# KiCad board SparkFun_IoT_RedBoard-RP2350_panelized.kicad_pcb (continued)
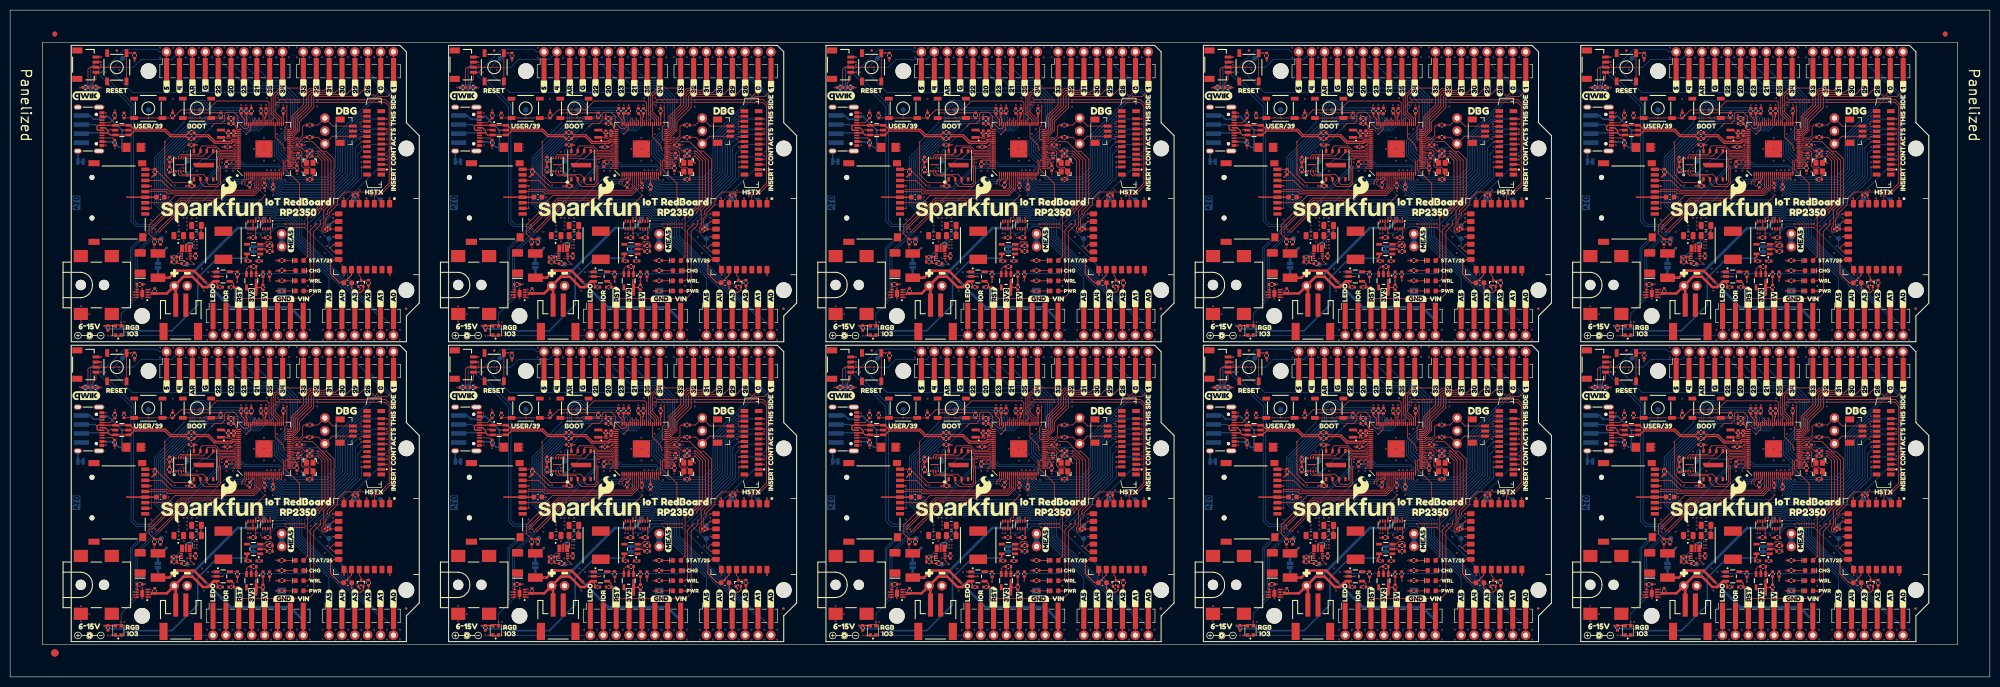
[diagram p0: board, top side]
## Routing (per net, layer and track width the routed paths; a pad name or vN(x,y) marks a point on that pad's centre or on a via; arc(x,y) is an arc through that point) (continued)
 v1(259.85,25.36) v1(260.25,124.03) v1(260.25,122.08) v1(260.25,64.91) v1(260.25,62.96) v1(260.9,80.48) v1(260.9,21.36) v1(261.25,76.13) v1(261.25,17.01) v1(261.85,68.43) v1(261.85,66.48) v1(261.85,9.31) v1(261.85,7.36) v1(262.05,93.48) v1(262.05,79.78) v1(262.05,34.36) v1(262.05,20.66) v1(262.85,124.08) v1(262.85,122.13) v1(262.85,64.96) v1(262.85,63.01) v1(264.35,68.43) v1(264.35,66.48) v1(264.35,9.31) v1(264.35,7.36) v1(264.75,101.43) v1(264.75,42.31) v1(265.3,124.08) v1(265.3,122.13) v1(265.3,64.96) v1(265.3,63.01) v1(265.7,99.73) v1(265.7,40.61) v1(266.75,101.48) v1(266.75,42.36) v1(266.9,68.43) v1(266.9,66.48) v1(266.9,9.31) v1(266.9,7.36) v1(266.95,99.78) v1(266.95,40.66) v1(267.85,124.08) v1(267.85,122.13) v1(267.85,64.96) v1(267.85,63.01) v1(268.6,112.68) v1(268.6,53.56) v1(269.3,97.08) v1(269.4,68.43) v1(269.4,66.48) v1(269.3,37.96) v1(269.4,9.31) v1(269.4,7.36) v1(269.6,112.68) v1(269.6,53.56) v1(269.7,96.73) v1(269.7,37.61) v1(270.4,124.08) v1(270.4,122.13) v1(270.4,64.96) v1(270.4,63.01) v1(271.1,104.08) v1(271.1,44.96) v1(271.7,105.53) v1(271.7,102.63) v1(271.7,46.41) v1(271.7,43.51) v1(271.95,68.43) v1(271.95,66.48) v1(271.95,9.31) v1(271.95,7.36) v1(272.45,87.08) v1(272.45,27.96) v1(272.5,112.68) v1(272.5,53.56) v1(272.95,124.08) v1(272.95,122.13) v1(272.95,64.96) v1(272.95,63.01) v1(273.1,106.28) v1(273.1,104.08) v1(273.1,101.78) v1(273.1,47.16) v1(273.1,44.96) v1(273.1,42.66) v1(273.3,95.78) v1(273.3,36.66) v1(273.5,112.68) v1(273.5,53.56) v1(273.65,114.08) v1(273.7,99.88) v1(273.65,54.96) v1(273.7,40.76) v1(274.55,105.53) v1(274.55,103.38) v1(274.5,99.88) v1(274.5,68.43) v1(274.5,66.48) v1(274.55,46.41) v1(274.55,44.26) v1(274.5,40.76) v1(274.5,9.31) v1(274.5,7.36) v1(274.85,94.93) v1(274.85,35.81) v1(275.1,101.78) v1(275.1,42.66) v1(275.3,99.88) v1(275.3,40.76) v1(275.5,124.08) v1(275.5,122.13) v1(275.5,64.96) v1(275.5,63.01) v1(275.7,112.73) v1(275.7,106.98) v1(275.7,53.61) v1(275.7,47.86) v1(275.8,114.18) v1(275.8,55.06) v1(276.1,99.88) v1(276.1,40.76) v1(276.5,107.98) v1(276.5,48.86) v1(276.9,112.68) v1(276.9,53.56) v1(277.05,68.43) v1(277.05,66.48) v1(277.05,9.31) v1(277.05,7.36) v1(277.15,103.83) v1(277.15,44.71) v1(277.3,97.98) v1(277.3,38.86) v1(278,124.08) v1(278,122.13) v1(278,64.96) v1(278,63.01) v1(279.55,124.08) v1(279.55,122.13) v1(279.6,99.18) v1(279.55,68.43) v1(279.55,66.48) v1(279.55,64.96) v1(279.55,63.01) v1(279.6,40.06) v1(279.55,9.31) v1(279.55,7.36) v1(279.85,101.53) v1(279.85,42.41) v1(280,115.08) v1(280,55.96) v1(280.5,99.58) v1(280.5,40.46) v1(281.2,104.88) v1(281.2,45.76) v1(281.7,77.08) v1(281.7,17.96) v1(282.05,124.08) v1(282.05,122.13) v1(282.1,68.43) v1(282.1,66.48) v1(282.05,64.96) v1(282.05,63.01) v1(282.1,9.31) v1(282.1,7.36) v1(282.4,90.58) v1(282.3,88.93) v1(282.4,31.46) v1(282.3,29.81) v1(283.2,102.28) v1(283.2,43.16) v1(283.6,112.43) v1(283.6,53.31) v1(283.7,101.28) v1(283.7,42.16) v1(284.2,86.73) v1(284.2,27.61) v1(284.6,124.08) v1(284.6,122.13) v1(284.6,64.96) v1(284.6,63.01) v1(284.65,68.43) v1(284.65,66.48) v1(284.65,9.31) v1(284.65,7.36) v1(285.05,83.53) v1(285.05,24.41) v1(285.5,84.93) v1(285.5,25.81) v1(286.7,90.48) v1(286.7,31.36) v1(287.15,124.08) v1(287.15,122.13) v1(287.15,64.96) v1(287.15,63.01) v1(287.2,68.43) v1(287.2,66.48) v1(287.2,9.31) v1(287.2,7.36) v1(289.7,124.08) v1(289.7,122.13) v1(289.7,68.43) v1(289.7,66.48) v1(289.7,64.96) v1(289.7,63.01) v1(289.7,9.31) v1(289.7,7.36) v1(292.1,108.98) v1(292,105.98) v1(292,95.98) v1(292.1,49.86) v1(292,46.86) v1(292,36.86) v1(292.25,124.08) v1(292.25,122.13) v1(292.25,68.43) v1(292.25,66.48) v1(292.25,64.96) v1(292.25,63.01) v1(292.25,9.31) v1(292.25,7.36) v1(292.3,110.48) v1(292.3,107.48) v1(292.3,104.48) v1(292.3,101.48) v1(292.3,51.36) v1(292.3,48.36) v1(292.3,45.36) v1(292.3,42.36) v1(294.25,94.83) v1(294.25,35.71) v1(294.55,114.78) v1(294.55,55.66) v1(294.8,124.08) v1(294.8,122.13) v1(294.8,68.43) v1(294.8,66.48) v1(294.8,64.96) v1(294.8,63.01) v1(294.8,9.31) v1(294.8,7.36) v1(296.1,114.93) v1(296.1,55.81) v1(297.35,124.08) v1(297.35,122.13) v1(297.3,108.98) v1(297.3,107.48) v1(297.3,105.98) v1(297.3,102.68) v1(297.35,68.43) v1(297.35,66.48) v1(297.35,64.96) v1(297.35,63.01) v1(297.3,49.86) v1(297.3,48.36) v1(297.3,46.86) v1(297.3,43.56) v1(297.35,9.31) v1(297.35,7.36) v1(299.85,68.43) v1(299.85,66.48) v1(299.85,9.31) v1(299.85,7.36) v1(311.36,73.08) v1(311.36,70.08) v1(311.36,13.96) v1(311.36,10.96) v1(313.06,71.48) v1(313.06,12.36) v1(315.36,120.68) v1(315.36,61.56) v1(316.21,119.18) v1(316.21,60.06) v1(316.36,111.18) v1(316.36,104.78) v1(316.36,52.06) v1(316.36,45.66) v1(316.71,67.28) v1(316.71,8.16) v1(318.06,111.78) v1(318.06,104.18) v1(318.06,52.66) v1(318.06,45.06) v1(318.96,119.68) v1(318.96,60.56) v1(319.96,69.93) v1(319.96,10.81) v1(320.31,67.93) v1(320.31,8.81) v1(321.41,74.38) v1(321.41,15.26) v1(325.26,90.13) v1(325.26,31.01) v1(325.41,87.63) v1(325.41,28.51) v1(325.86,84.63) v1(325.86,25.51) v1(326.01,88.23) v1(326.01,29.11) v1(327.01,124.03) v1(327.01,122.08) v1(327.01,64.91) v1(327.01,62.96) v1(328.16,87.73) v1(328.16,28.61) v1(328.71,94.58) v1(328.71,35.46) v1(329.46,113.98) v1(329.46,54.86) v1(329.56,124.03) v1(329.56,64.91) v1(329.86,96.88) v1(329.86,37.76) v1(330.66,89.73) v1(330.66,88.98) v1(330.66,88.18) v1(330.66,86.98) v1(330.66,30.61) v1(330.66,29.86) v1(330.66,29.06) v1(330.66,27.86) v1(331.61,103.53) v1(331.61,100.28) v1(331.61,90.48) v1(331.61,85.83) v1(331.61,44.41) v1(331.61,41.16) v1(331.61,31.36) v1(331.61,26.71) v1(332.06,124.03) v1(332.06,122.08) v1(332.06,64.91) v1(332.06,62.96) v1(332.26,82.48) v1(332.26,23.36) v1(332.31,90.48) v1(332.31,89.73) v1(332.31,88.98) v1(332.31,88.18) v1(332.31,31.36) v1(332.31,30.61) v1(332.31,29.86) v1(332.31,29.06) v1(333.21,90.48) v1(333.21,31.36) v1(333.71,85.83) v1(333.71,85.13) v1(333.71,84.48) v1(333.71,26.71) v1(333.71,26.01) v1(333.71,25.36) v1(334.26,99.73) v1(334.21,90.48) v1(334.21,88.98) v1(334.21,87.98) v1(334.21,85.83) v1(334.21,85.13) v1(334.21,84.48) v1(334.26,40.61) v1(334.21,31.36) v1(334.21,29.86) v1(334.21,28.86) v1(334.21,26.71) v1(334.21,26.01) v1(334.21,25.36) v1(334.61,124.03) v1(334.61,122.08) v1(334.61,64.91) v1(334.61,62.96) v1(335.26,80.48) v1(335.26,21.36) v1(335.61,76.13) v1(335.61,17.01) v1(336.21,68.43) v1(336.21,66.48) v1(336.21,9.31) v1(336.21,7.36) v1(336.41,93.48) v1(336.41,79.78) v1(336.41,34.36) v1(336.41,20.66) v1(337.21,124.08) v1(337.21,122.13) v1(337.21,64.96) v1(337.21,63.01) v1(338.71,68.43) v1(338.71,66.48) v1(338.71,9.31) v1(338.71,7.36) v1(339.11,101.43) v1(339.11,42.31) v1(339.66,124.08) v1(339.66,122.13) v1(339.66,64.96) v1(339.66,63.01) v1(340.06,99.73) v1(340.06,40.61) v1(341.11,101.48) v1(341.11,42.36) v1(341.26,68.43) v1(341.26,66.48) v1(341.26,9.31) v1(341.26,7.36) v1(341.31,99.78) v1(341.31,40.66) v1(342.21,124.08) v1(342.21,122.13) v1(342.21,64.96) v1(342.21,63.01) v1(342.96,112.68) v1(342.96,53.56) v1(343.66,97.08) v1(343.66,37.96) v1(343.76,68.43) v1(343.76,66.48) v1(343.76,9.31) v1(343.76,7.36) v1(343.96,112.68) v1(343.96,53.56) v1(344.06,96.73) v1(344.06,37.61) v1(344.76,124.08) v1(344.76,122.13) v1(344.76,64.96) v1(344.76,63.01) v1(345.46,104.08) v1(345.46,44.96) v1(346.06,105.53) v1(346.06,102.63) v1(346.06,46.41) v1(346.06,43.51) v1(346.31,68.43) v1(346.31,66.48) v1(346.31,9.31) v1(346.31,7.36) v1(346.86,112.68) v1(346.81,87.08) v1(346.86,53.56) v1(346.81,27.96) v1(347.31,124.08) v1(347.31,122.13) v1(347.31,64.96) v1(347.31,63.01) v1(347.46,106.28) v1(347.46,104.08) v1(347.46,101.78) v1(347.46,47.16) v1(347.46,44.96) v1(347.46,42.66) v1(347.66,95.78) v1(347.66,36.66) v1(347.86,112.68) v1(347.86,53.56) v1(348.01,114.08) v1(348.06,99.88) v1(348.01,54.96) v1(348.06,40.76) v1(348.86,99.88) v1(348.86,68.43) v1(348.86,66.48) v1(348.86,40.76) v1(348.86,9.31) v1(348.86,7.36) v1(348.91,105.53) v1(348.91,103.38) v1(348.91,46.41) v1(348.91,44.26) v1(349.21,94.93) v1(349.21,35.81) v1(349.46,101.78) v1(349.46,42.66) v1(349.66,99.88) v1(349.66,40.76) v1(349.86,124.08) v1(349.86,122.13) v1(349.86,64.96) v1(349.86,63.01) v1(350.06,112.73) v1(350.06,106.98) v1(350.06,53.61) v1(350.06,47.86) v1(350.16,114.18) v1(350.16,55.06) v1(350.46,99.88) v1(350.46,40.76) v1(350.86,107.98) v1(350.86,48.86) v1(351.26,112.68) v1(351.26,53.56) v1(351.41,68.43) v1(351.41,66.48) v1(351.41,9.31) v1(351.41,7.36) v1(351.51,103.83) v1(351.51,44.71) v1(351.66,97.98) v1(351.66,38.86) v1(352.36,124.08) v1(352.36,122.13) v1(352.36,64.96) v1(352.36,63.01) v1(353.91,124.08) v1(353.91,122.13) v1(353.96,99.18) v1(353.91,68.43) v1(353.91,66.48) v1(353.91,64.96) v1(353.91,63.01) v1(353.96,40.06) v1(353.91,9.31) v1(353.91,7.36) v1(354.21,101.53) v1(354.21,42.41) v1(354.36,115.08) v1(354.36,55.96) v1(354.86,99.58) v1(354.86,40.46) v1(355.56,104.88) v1(355.56,45.76) v1(356.06,77.08) v1(356.06,17.96) v1(356.41,124.08) v1(356.41,122.13) v1(356.46,68.43) v1(356.46,66.48) v1(356.41,64.96) v1(356.41,63.01) v1(356.46,9.31) v1(356.46,7.36) v1(356.66,88.93) v1(356.66,29.81) v1(356.76,90.58) v1(356.76,31.46) v1(357.56,102.28) v1(357.56,43.16) v1(357.96,112.43) v1(357.96,53.31) v1(358.06,101.28) v1(358.06,42.16) v1(358.56,86.73) v1(358.56,27.61) v1(358.96,124.08) v1(358.96,122.13) v1(358.96,64.96) v1(358.96,63.01) v1(359.01,68.43) v1(359.01,66.48) v1(359.01,9.31) v1(359.01,7.36) v1(359.41,83.53) v1(359.41,24.41) v1(359.86,84.93) v1(359.86,25.81) v1(361.06,90.48) v1(361.06,31.36) v1(361.51,124.08) v1(361.51,122.13) v1(361.56,68.43) v1(361.56,66.48) v1(361.51,64.96) v1(361.51,63.01) v1(361.56,9.31) v1(361.56,7.36) v1(364.06,124.08) v1(364.06,122.13) v1(364.06,68.43) v1(364.06,66.48) v1(364.06,64.96) v1(364.06,63.01) v1(364.06,9.31) v1(364.06,7.36) v1(366.36,105.98) v1(366.36,95.98) v1(366.36,46.86) v1(366.36,36.86) v1(366.46,108.98) v1(366.46,49.86) v1(366.61,124.08) v1(366.61,122.13) v1(366.66,110.48) v1(366.66,107.48) v1(366.66,104.48) v1(366.66,101.48) v1(366.61,68.43) v1(366.61,66.48) v1(366.61,64.96) v1(366.61,63.01) v1(366.66,51.36) v1(366.66,48.36) v1(366.66,45.36) v1(366.66,42.36) v1(366.61,9.31) v1(366.61,7.36) v1(368.61,94.83) v1(368.61,35.71) v1(368.91,114.78) v1(368.91,55.66) v1(369.16,124.08) v1(369.16,122.13) v1(369.16,68.43) v1(369.16,66.48) v1(369.16,64.96) v1(369.16,63.01) v1(369.16,9.31) v1(369.16,7.36) v1(370.46,114.93) v1(370.46,55.81) v1(371.66,108.98) v1(371.66,107.48) v1(371.66,105.98) v1(371.66,102.68) v1(371.66,49.86) v1(371.66,48.36) v1(371.66,46.86) v1(371.66,43.56) v1(371.71,124.08) v1(371.71,122.13) v1(371.71,68.43) v1(371.71,66.48) v1(371.71,64.96) v1(371.71,63.01) v1(371.71,9.31) v1(371.71,7.36) v1(374.21,68.43) v1(374.21,66.48) v1(374.21,9.31) v1(374.21,7.36)
VBATT: length 477.5
  Top w0.2: U9.3 40.67,18.41 40.89,18.19 C33.1 ; U8#8.2 250.85,75.33 251.1,75.58 250.85,75.83 U8#8.3 ; U9#2.3 338.11,18.41 338.33,18.19 C33#9.1 ; C33#7.1 263.97,77.31 263.75,77.53 U9#8.3 ; U8#10.2 325.21,16.21 325.46,16.46 325.21,16.71 U8#10.3 ; C33#6.1 189.61,18.19 189.39,18.41 U9#7.3 ; U8#3.3 176.49,16.71 176.74,16.46 176.49,16.21 U8#3.2 ; C33#10.1 263.97,18.19 263.75,18.41 U9#9.3 ; U8#4.3 102.13,16.71 102.38,16.46 102.13,16.21 U8#4.2 ; U8#2.2 102.13,75.33 102.38,75.58 102.13,75.83 U8#2.3 ; U8#6.3 27.77,75.83 28.02,75.58 27.77,75.33 U8#6.2 ; C33#4.1 40.89,77.31 40.67,77.53 U9#3.3 ; U8#7.3 176.49,75.83 176.74,75.58 176.49,75.33 U8#7.2 ; U8#9.2 325.21,75.33 325.46,75.58 325.21,75.83 U8#9.3 ; U8#5.3 250.85,16.71 251.1,16.46 250.85,16.21 U8#5.2 ; U8.2 27.77,16.21 28.02,16.46 27.77,16.71 U8.3 ; C33#8.1 338.33,77.31 338.11,77.53 U9#10.3 ; C33#3.1 189.61,77.31 189.39,77.53 U9#4.3 ; C33#5.1 115.25,18.19 115.03,18.41 U9#5.3 ; C33#2.1 115.25,77.31 115.03,77.53 U9#6.3
  Top w0.5: J7#10.2 330.06,76.81 J6#9.1 ; U9.3 40.07,18.86 38.92,17.71 37.97,17.71 35.92,19.76 34.15,19.76 J6.1 ; J6#9.1 328.29,75.58 325.46,75.58 ; J6#9.1 331.59,78.88 333.36,78.88 335.41,76.83 336.36,76.83 337.51,77.98 U9#10.3 ; U9#5.3 114.43,18.86 113.28,17.71 112.33,17.71 110.28,19.76 108.51,19.76 J6#2.1 ; J7#6.2 181.34,76.81 J6#3.1 ; J6#6.1 105.21,75.58 102.38,75.58 ; J6#6.1 108.51,78.88 110.28,78.88 112.33,76.83 113.28,76.83 114.43,77.98 U9#6.3 ; J6#6.1 106.98,76.81 J7#3.2 ; 325.46,16.46 328.29,16.46 J6#10.1 ; J6#5.1 34.15,78.88 35.92,78.88 37.97,76.83 38.92,76.83 40.07,77.98 U9#3.3 ; J6#5.1 32.62,76.81 J7#4.2 ; J6#5.1 30.85,75.58 28.02,75.58 ; J6.1 30.85,16.46 28.02,16.46 ; J6.1 32.62,17.69 J7.2 ; J6#2.1 105.21,16.46 102.38,16.46 ; J6#2.1 106.98,17.69 J7#5.2 ; J7#9.2 330.06,17.69 J6#10.1 ; U9#7.3 188.79,18.86 187.64,17.71 186.69,17.71 184.64,19.76 182.87,19.76 J6#7.1 ; J6#7.1 181.34,17.69 J7#2.2 ; J6#7.1 179.57,16.46 176.74,16.46 ; J6#8.1 257.23,19.76 259,19.76 261.05,17.71 262,17.71 263.15,18.86 U9#9.3 ; J6#8.1 255.7,17.69 J7#7.2 ; J6#8.1 253.93,16.46 251.1,16.46 ; J6#10.1 331.59,19.76 333.36,19.76 335.41,17.71 336.36,17.71 337.51,18.86 U9#2.3 ; J7#8.2 255.7,76.81 J6#4.1 ; J6#3.1 179.57,75.58 176.74,75.58 ; J6#3.1 182.87,78.88 184.64,78.88 186.69,76.83 187.64,76.83 188.79,77.98 U9#4.3 ; J6#4.1 257.23,78.88 259,78.88 261.05,76.83 262,76.83 263.15,77.98 U9#8.3 ; J6#4.1 253.93,75.58 251.1,75.58
  Bottom w0.5: 198.49,89.6 197.37,88.48 193.55,88.48 184.44,79.38 183.37,79.38 J6#3.1 ; 198.49,89.6 198.49,90.43 ; 198.49,89.6 198.99,90.1 v1(198.99,90.48) v1(198.49,90.48) ; J6#6.1 109.01,79.38 110.08,79.38 119.19,88.48 123.01,88.48 124.13,89.6 ; 347.21,30.48 347.21,31.31 ; 347.21,30.48 347.71,30.98 v1(347.71,31.36) v1(347.21,31.36) ; 347.21,30.48 346.09,29.36 342.26,29.36 333.16,20.26 332.09,20.26 J6#10.1 ; 124.13,89.6 124.13,90.43 ; 124.13,89.6 124.63,90.1 v1(124.63,90.48) v1(124.13,90.48) ; 49.77,89.6 49.77,90.43 ; 49.77,89.6 48.65,88.48 44.83,88.48 35.72,79.38 34.65,79.38 J6#5.1 ; 49.77,89.6 50.27,90.1 v1(50.27,90.48) v1(49.77,90.48) ; v1(49.77,31.36) v1(50.27,31.36) 50.27,30.98 49.77,30.48 ; J6#7.1 183.37,20.26 184.44,20.26 193.55,29.36 197.37,29.36 198.49,30.48 ; J6#4.1 257.73,79.38 258.8,79.38 267.9,88.48 271.73,88.48 272.85,89.6 ; v1(347.21,90.48) v1(347.71,90.48) 347.71,90.1 347.21,89.6 ; J6#8.1 257.73,20.26 258.8,20.26 267.9,29.36 271.73,29.36 272.85,30.48 ; 198.49,30.48 198.49,31.31 ; 198.49,30.48 198.99,30.98 v1(198.99,31.36) v1(198.49,31.36) ; v1(272.85,31.36) v1(273.35,31.36) 273.35,30.98 272.85,30.48 ; J6#2.1 109.01,20.26 110.08,20.26 119.19,29.36 123.01,29.36 124.13,30.48 ; 49.77,30.48 48.65,29.36 44.83,29.36 35.72,20.26 34.65,20.26 J6.1 ; 49.77,30.48 49.77,31.31 ; 272.85,30.48 272.85,31.31 ; 347.21,89.6 347.21,90.43 ; 347.21,89.6 346.09,88.48 342.26,88.48 333.16,79.38 332.09,79.38 J6#9.1 ; 272.85,89.6 272.85,90.43 ; 272.85,89.6 273.35,90.1 v1(273.35,90.48) v1(272.85,90.48) ; 124.13,30.48 124.13,31.31 ; 124.13,30.48 124.63,30.98 v1(124.63,31.36) v1(124.13,31.36)
